# Altium PCB MiniPC.PcbDoc (part 2 of 23)
Units mm, origin at the board's own origin, x right, y up, seen from the top; angles counter-clockwise.
Board outline 175 x 155 mm, 16 copper layers (1_Top, 2_int1_(gnd), 3_int2_(power), 4_int3_(gnd), 5_int4_(sign), 6_int5_(power), 7_int6_(sign), 8_int7_(power), 9_int8_(gnd), 10_int9_(sign), 11_int10_(gnd), 12_int11_(sign), 13_int12_(gnd), 14_int13_(power), 15_int14_(gnd), 16_Bottom), stack 2.008 mm thick; 1046 components, 841 nets, 6010 pads, 4016 vias.
Unrouted connection lines stored in the file: 602.
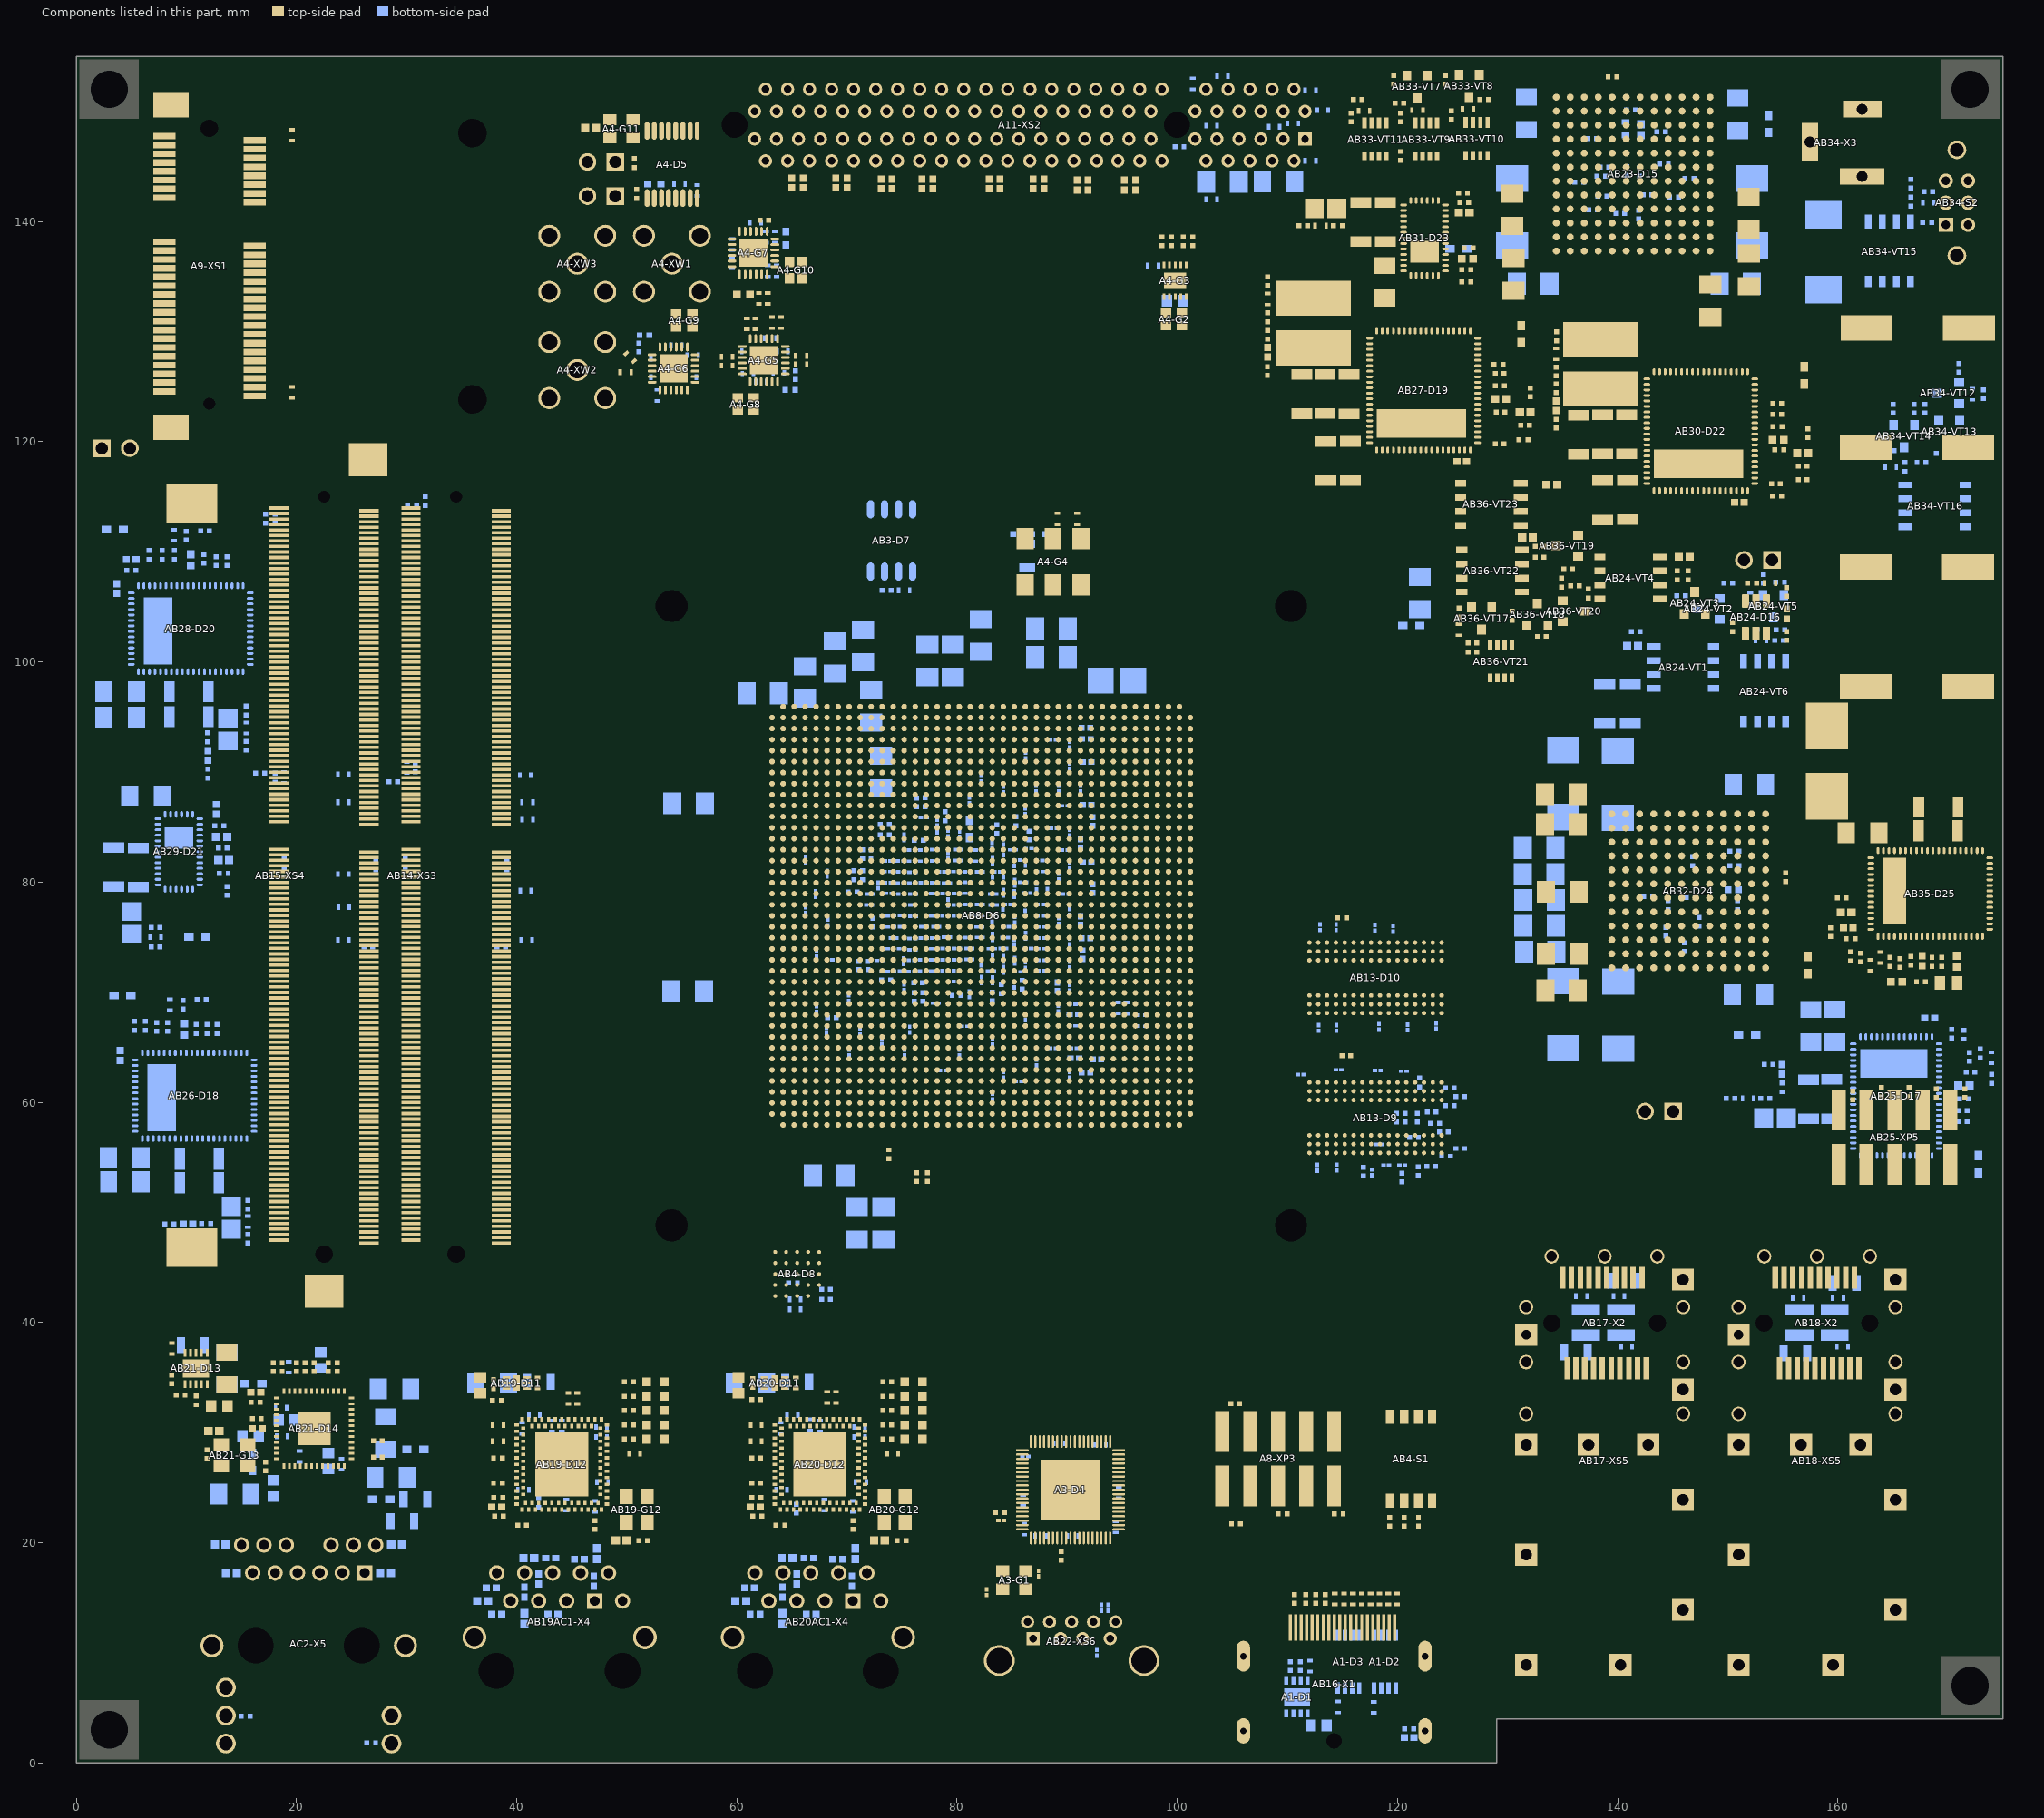
[diagram p16: the components of this part, seen from the top]

## Classes and differential pairs (continued)
net class DDR4_40: DDR4_BLK1.ADDR.A0 DDR4_BLK1.ADDR.A1 DDR4_BLK1.ADDR.A2 DDR4_BLK1.ADDR.A3 DDR4_BLK1.ADDR.A4 DDR4_BLK1.ADDR.A5 DDR4_BLK1.ADDR.A6 DDR4_BLK1.ADDR.A7 DDR4_BLK1.ADDR.A8 DDR4_BLK1.ADDR.A9 DDR4_BLK1.ADDR.A10 DDR4_BLK1.ADDR.A11 DDR4_BLK1.ADDR.A12 DDR4_BLK1.ADDR.A13 DDR4_BLK1.ADDR.A14 DDR4_BLK1.ADDR.A15 DDR4_BLK1.ADDR.A16 DDR4_BLK1.ADDR.BA0 DDR4_BLK1.ADDR.BA1 DDR4_BLK1.ADDR.BG0 DDR4_BLK1.ADDR.BG1 DDR4_BLK1.CTRL.ACT DDR4_BLK1.CTRL.ALERT DDR4_BLK1.CTRL.CKE DDR4_BLK1.CTRL.CS DDR4_BLK1.CTRL.ODT DDR4_BLK1.CTRL.PARITY DDR4_BLK1.CTRL.RESET DDR4_BLK1.CTRL.SA0 DDR4_BLK1.CTRL.SA1 DDR4_BLK1.CTRL.SA2 DDR4_BLK1.CTRL.SCL DDR4_BLK1.CTRL.SDA DDR4_BLK1.DL1.DM0 DDR4_BLK1.DL1.DQ0 DDR4_BLK1.DL1.DQ1 DDR4_BLK1.DL1.DQ2 DDR4_BLK1.DL1.DQ3 DDR4_BLK1.DL1.DQ4 DDR4_BLK1.DL1.DQ5 DDR4_BLK1.DL1.DQ6 DDR4_BLK1.DL1.DQ7 DDR4_BLK1.DL2.DM1 DDR4_BLK1.DL2.DQ8 DDR4_BLK1.DL2.DQ9 DDR4_BLK1.DL2.DQ10 DDR4_BLK1.DL2.DQ11 DDR4_BLK1.DL2.DQ12 DDR4_BLK1.DL2.DQ13 DDR4_BLK1.DL2.DQ14 DDR4_BLK1.DL2.DQ15 DDR4_BLK1.DL3.DM2 DDR4_BLK1.DL3.DQ16 DDR4_BLK1.DL3.DQ17 DDR4_BLK1.DL3.DQ18 DDR4_BLK1.DL3.DQ19 DDR4_BLK1.DL3.DQ20 DDR4_BLK1.DL3.DQ21 DDR4_BLK1.DL3.DQ22 DDR4_BLK1.DL3.DQ23 DDR4_BLK1.DL4.DM3 DDR4_BLK1.DL4.DQ24 DDR4_BLK1.DL4.DQ25 DDR4_BLK1.DL4.DQ26 DDR4_BLK1.DL4.DQ27 DDR4_BLK1.DL4.DQ28 DDR4_BLK1.DL4.DQ29 DDR4_BLK1.DL4.DQ30 DDR4_BLK1.DL4.DQ31 DDR4_BLK1.DL5.DM4 DDR4_BLK1.DL5.DQ32 DDR4_BLK1.DL5.DQ33 DDR4_BLK1.DL5.DQ34 DDR4_BLK1.DL5.DQ35 DDR4_BLK1.DL5.DQ36 DDR4_BLK1.DL5.DQ37 DDR4_BLK1.DL5.DQ38 DDR4_BLK1.DL5.DQ39 DDR4_BLK1.DL6.DM5 DDR4_BLK1.DL6.DQ40 DDR4_BLK1.DL6.DQ41 DDR4_BLK1.DL6.DQ42 DDR4_BLK1.DL6.DQ43 DDR4_BLK1.DL6.DQ44 DDR4_BLK1.DL6.DQ45 DDR4_BLK1.DL6.DQ46 DDR4_BLK1.DL6.DQ47 DDR4_BLK1.DL7.DM6 DDR4_BLK1.DL7.DQ48 DDR4_BLK1.DL7.DQ49 DDR4_BLK1.DL7.DQ50 DDR4_BLK1.DL7.DQ51 DDR4_BLK1.DL7.DQ52 DDR4_BLK1.DL7.DQ53 DDR4_BLK1.DL7.DQ54 DDR4_BLK1.DL7.DQ55 DDR4_BLK1.DL8.DM7 DDR4_BLK1.DL8.DQ56 DDR4_BLK1.DL8.DQ57 DDR4_BLK1.DL8.DQ58 DDR4_BLK1.DL8.DQ59 DDR4_BLK1.DL8.DQ60 DDR4_BLK1.DL8.DQ61 DDR4_BLK1.DL8.DQ62 DDR4_BLK1.DL8.DQ63 DDR4_BLK2.CTRL.CKE DDR4_BLK2.CTRL.CS DDR4_BLK2.CTRL.ODT DDR4_INT.ADDR.A0 DDR4_INT.ADDR.A1 DDR4_INT.ADDR.A2 DDR4_INT.ADDR.A3 DDR4_INT.ADDR.A4 DDR4_INT.ADDR.A5 DDR4_INT.ADDR.A6 DDR4_INT.ADDR.A7 DDR4_INT.ADDR.A8 DDR4_INT.ADDR.A9 DDR4_INT.ADDR.A10 DDR4_INT.ADDR.A11 DDR4_INT.ADDR.A12 DDR4_INT.ADDR.A13 DDR4_INT.ADDR.BA0 DDR4_INT.ADDR.BA1 DDR4_INT.ADDR.BG0 DDR4_INT.ADDR.BG1 DDR4_INT.CTRL.ACT DDR4_INT.CTRL.ALERT0 DDR4_INT.CTRL.ALERT1 DDR4_INT.CTRL.CAS DDR4_INT.CTRL.CKE DDR4_INT.CTRL.CSn DDR4_INT.CTRL.ODT DDR4_INT.CTRL.PAR DDR4_INT.CTRL.RAS DDR4_INT.CTRL.RESETn DDR4_INT.CTRL.WEn DDR4_INT.DL1.DM0 DDR4_INT.DL1.DQ0 DDR4_INT.DL1.DQ1 DDR4_INT.DL1.DQ2 DDR4_INT.DL1.DQ3 DDR4_INT.DL1.DQ4 DDR4_INT.DL1.DQ5 DDR4_INT.DL1.DQ6 DDR4_INT.DL1.DQ7 DDR4_INT.DL2.DM1 DDR4_INT.DL2.DQ8 DDR4_INT.DL2.DQ9 DDR4_INT.DL2.DQ10 DDR4_INT.DL2.DQ11 DDR4_INT.DL2.DQ12 DDR4_INT.DL2.DQ13 DDR4_INT.DL2.DQ14 DDR4_INT.DL2.DQ15 DDR4_INT.DL3.DM2 DDR4_INT.DL3.DQ16 DDR4_INT.DL3.DQ17 DDR4_INT.DL3.DQ18 DDR4_INT.DL3.DQ19 DDR4_INT.DL3.DQ20 DDR4_INT.DL3.DQ21 DDR4_INT.DL3.DQ22 DDR4_INT.DL3.DQ23 DDR4_INT.DL4.DM3 DDR4_INT.DL4.DQ24 DDR4_INT.DL4.DQ25 DDR4_INT.DL4.DQ26 DDR4_INT.DL4.DQ27 DDR4_INT.DL4.DQ28 DDR4_INT.DL4.DQ29 DDR4_INT.DL4.DQ30 DDR4_INT.DL4.DQ31
component class A8: A8-R19 A8-R20 A8-R21 A8-R22 A8-XP3
component class AB15: AB15-C363 AB15-C364 AB15-C365 AB15-C366 AB15-C367 AB15-C368 AB15-C369 AB15-R88 AB15-R89 AB15-R90 AB15-R91 AB15-R92 AB15-XS4
component class AB2: AB2-C230 AB2-C231 AB2-C232 AB2-C233 AB2-C234 AB2-C235 AB2-C236 AB2-C237 AB2-C238 AB2-C239 AB2-C240 AB2-C241 AB2-C242 AB2-C243 AB2-C244 AB2-C245 AB2-C246 AB2-C247 AB2-C248 AB2-C249 AB2-C250 AB2-C251 AB2-C252 AB2-C253 AB2-C254 AB2-C255 AB2-C256 AB2-C257 AB2-C258 AB2-C259 AB2-C260 AB2-C261 AB2-C262 AB2-C263 AB2-C264 AB2-C265 AB2-C266 AB2-C267 AB2-C268 AB2-C269 AB2-C270 AB2-C271 AB2-C272 AB2-C273 AB2-C274 AB2-C275 AB2-C276 AB2-C277 AB2-C278 AB2-C279 AB2-C280 AB2-C281 AB2-C282 AB2-C283 AB2-C284 AB2-C285 AB2-C286 AB2-C287 AB2-C288 AB2-C289 AB2-C290 AB2-C291 AB2-C292 AB2-C293 AB2-C294 AB2-C295 AB2-C296 AB2-C297 AB2-C298 AB2-C299 AB2-C300 AB2-C301 AB2-C302 AB2-C303 AB2-C304 AB2-C305 AB2-C306 AB2-C307 AB2-C308 AB2-C309 AB2-C310 AB2-C311 AB2-C312 AB2-C313 AB2-C314 AB2-C315 AB2-C316 AB2-C317 AB2-C318 AB2-C319 AB2-C320 AB2-L7 AB2-L8 AB2-R24 AB2-R25
component class AB1: AB1-C98 AB1-C99 AB1-C100 AB1-C101 AB1-C102 AB1-C103 AB1-C104 AB1-C105 AB1-C106 AB1-C107 AB1-C108 AB1-C109 AB1-C110 AB1-C111 AB1-C112 AB1-C113 AB1-C114 AB1-C115 AB1-C116 AB1-C117 AB1-C118 AB1-C119 AB1-C120 AB1-C121 AB1-C122 AB1-C123 AB1-C124 AB1-C125 AB1-C126 AB1-C127 AB1-C128 AB1-C129 AB1-C130 AB1-C131 AB1-C132 AB1-C133 AB1-C134 AB1-C135 AB1-C136 AB1-C137 AB1-C138 AB1-C139 AB1-C140 AB1-C141 AB1-C142 AB1-C143 AB1-C144 AB1-C145 AB1-C146 AB1-C147 AB1-C148 AB1-C149 AB1-C150 AB1-C151 AB1-C152 AB1-C153 AB1-C154 AB1-C155 AB1-C156 AB1-C157 AB1-C158 AB1-C159 AB1-C160 AB1-C161 AB1-C162 AB1-C163 AB1-C164 AB1-C165 AB1-C166 AB1-C167 AB1-C168 AB1-C169 AB1-C170 AB1-C171 AB1-C172 AB1-C173 AB1-C174 AB1-C175 AB1-C176 AB1-C177 AB1-C178 AB1-C179 AB1-C180 AB1-C181 AB1-C182 AB1-C183 AB1-C184 AB1-C185 AB1-C186 AB1-C187 AB1-C188 AB1-C189 AB1-C190 AB1-C191 AB1-C192 AB1-C193 AB1-C194 AB1-C195 AB1-C196 AB1-C197 AB1-C198 AB1-C199 AB1-C200 AB1-C201 AB1-C202 AB1-C203 AB1-C204 AB1-C205 AB1-C206 AB1-C207 AB1-C208 AB1-C209 AB1-C210 AB1-C211 AB1-C212 AB1-C213 AB1-C214 AB1-C215 AB1-C216 AB1-C217 AB1-C218 AB1-C219 AB1-C220 AB1-C221 AB1-C222 AB1-C223 AB1-C224 AB1-C225 AB1-C226 AB1-C227 AB1-C228 AB1-C229
component class AB3: AB3-C321 AB3-C322 AB3-C323 AB3-C324 AB3-C325 AB3-C326 AB3-C327 AB3-C328 AB3-C329 AB3-C330 AB3-C331 AB3-C332 AB3-C333 AB3-C334 AB3-D7 AB3-R26 AB3-R27 AB3-R28 AB3-R29 AB3-R30 AB3-R31 AB3-R32 AB3-R33 AB3-R34 AB3-R35 AB3-R36 AB3-R37 AB3-R38 AB3-R39 AB3-R40 AB3-R41 AB3-R42 AB3-R43 AB3-R44 AB3-R45 AB3-R46 AB3-R47 AB3-R48 AB3-R49
component class AB33: AB33-C517 AB33-C518 AB33-C519 AB33-R269 AB33-R270 AB33-R271 AB33-R272 AB33-R273 AB33-R274 AB33-R275 AB33-R276 AB33-R277 AB33-VT7 AB33-VT8 AB33-VT9 AB33-VT10 AB33-VT11
component class AB36: AB36-C537 AB36-C538 AB36-C539 AB36-R303 AB36-R304 AB36-R305 AB36-R306 AB36-R307 AB36-R308 AB36-R309 AB36-R310 AB36-R311 AB36-R312 AB36-R313 AB36-VT17 AB36-VT18 AB36-VT19 AB36-VT20 AB36-VT21 AB36-VT22 AB36-VT23
component class AB25: AB25-C443 AB25-C444 AB25-C445 AB25-C446 AB25-C447 AB25-C448 AB25-C449 AB25-C450 AB25-C451 AB25-D17 AB25-L16 AB25-R167 AB25-R168 AB25-R169 AB25-R170 AB25-R171 AB25-R172 AB25-R173 AB25-R174 AB25-R175 AB25-R176 AB25-R177 AB25-R178 AB25-R179 AB25-R180 AB25-R181 AB25-R182 AB25-R183 AB25-R184 AB25-R185 AB25-XP5
component class AB26: AB26-C452 AB26-C453 AB26-C454 AB26-C455 AB26-C456 AB26-C457 AB26-C458 AB26-C459 AB26-C460 AB26-D18 AB26-L17 AB26-R186 AB26-R187 AB26-R188 AB26-R189 AB26-R190 AB26-R191 AB26-R192 AB26-R193 AB26-R194 AB26-R195 AB26-R196 AB26-R197 AB26-R198 AB26-R199
component class AB27: AB27-C461 AB27-C462 AB27-C463 AB27-C464 AB27-C465 AB27-C466 AB27-C467 AB27-C468 AB27-C469 AB27-C470 AB27-D19 AB27-L18 AB27-R200 AB27-R201 AB27-R202 AB27-R203 AB27-R204 AB27-R205 AB27-R206 AB27-R207 AB27-R208 AB27-R209 AB27-R210 AB27-R211 AB27-R212
component class AB28: AB28-C471 AB28-C472 AB28-C473 AB28-C474 AB28-C475 AB28-C476 AB28-C477 AB28-C478 AB28-C479 AB28-D20 AB28-L19 AB28-R213 AB28-R214 AB28-R215 AB28-R216 AB28-R217 AB28-R218 AB28-R219 AB28-R220 AB28-R221 AB28-R222 AB28-R223 AB28-R224 AB28-R225 AB28-R226 AB28-R227 AB28-XP6
component class AB29: AB29-C480 AB29-C481 AB29-C482 AB29-C483 AB29-C484 AB29-C485 AB29-D21 AB29-L20 AB29-R228 AB29-R229 AB29-R230 AB29-R231 AB29-R232 AB29-R233 AB29-R234 AB29-R235
component class AB32: AB32-C502 AB32-C503 AB32-C504 AB32-C505 AB32-C506 AB32-C507 AB32-C508 AB32-C509 AB32-C510 AB32-C511 AB32-C512 AB32-C513 AB32-C514 AB32-C515 AB32-C516 AB32-D24 AB32-L23 AB32-R258 AB32-R259 AB32-R260 AB32-R261 AB32-R262 AB32-R263 AB32-R264 AB32-R265 AB32-R266 AB32-R267 AB32-R268
component class AB24: AB24-C436 AB24-C437 AB24-C438 AB24-C439 AB24-C440 AB24-C441 AB24-C442 AB24-D16 AB24-R152 AB24-R153 AB24-R154 AB24-R155 AB24-R156 AB24-R157 AB24-R158 AB24-R159 AB24-R160 AB24-R161 AB24-R162 AB24-R163 AB24-R164 AB24-R165 AB24-R166 AB24-VT1 AB24-VT2 AB24-VT3 AB24-VT4 AB24-VT5 AB24-VT6 AB24-XP4
component class AB30: AB30-C486 AB30-C487 AB30-C488 AB30-C489 AB30-C490 AB30-C491 AB30-C492 AB30-C493 AB30-C494 AB30-C495 AB30-D22 AB30-L21 AB30-R236 AB30-R237 AB30-R238 AB30-R239 AB30-R240 AB30-R241 AB30-R242 AB30-R243 AB30-R244 AB30-R245 AB30-R246 AB30-R247 AB30-R248 AB30-R249
component class AB31: AB31-C496 AB31-C497 AB31-C498 AB31-C499 AB31-C500 AB31-C501 AB31-D23 AB31-L22 AB31-R250 AB31-R251 AB31-R252 AB31-R253 AB31-R254 AB31-R255 AB31-R256 AB31-R257
component class AB23: AB23-C423 AB23-C424 AB23-C425 AB23-C426 AB23-C427 AB23-C428 AB23-C429 AB23-C430 AB23-C431 AB23-C432 AB23-C433 AB23-C434 AB23-C435 AB23-D15 AB23-L15 AB23-R135 AB23-R136 AB23-R137 AB23-R138 AB23-R139 AB23-R140 AB23-R141 AB23-R142 AB23-R143 AB23-R144 AB23-R145 AB23-R146 AB23-R147 AB23-R148 AB23-R149 AB23-R150 AB23-R151
component class AB35: AB35-C527 AB35-C528 AB35-C529 AB35-C530 AB35-C531 AB35-C532 AB35-C533 AB35-C534 AB35-C535 AB35-C536 AB35-D25 AB35-F1 AB35-L24 AB35-R291 AB35-R292 AB35-R293 AB35-R294 AB35-R295 AB35-R296 AB35-R297 AB35-R298 AB35-R299 AB35-R300 AB35-R301 AB35-R302
component class AB34: AB34-C520 AB34-C521 AB34-C522 AB34-C523 AB34-C524 AB34-C525 AB34-C526 AB34-R278 AB34-R279 AB34-R280 AB34-R281 AB34-R282 AB34-R283 AB34-R284 AB34-R285 AB34-R286 AB34-R287 AB34-R288 AB34-R289 AB34-R290 AB34-S2 AB34-VD6 AB34-VT12 AB34-VT13 AB34-VT14 AB34-VT15 AB34-VT16 AB34-X3 AB34-XP7
component class A4: A4-C29 A4-C30 A4-C31 A4-C32 A4-C33 A4-C34 A4-C35 A4-C36 A4-C37 A4-C38 A4-C39 A4-C40 A4-C41 A4-C42 A4-C43 A4-C44 A4-C45 A4-C46 A4-C47 A4-C48 A4-C49 A4-C50 A4-C51 A4-C52 A4-C53 A4-C54 A4-C55 A4-C56 A4-C57 A4-C58 A4-C59 A4-C60 A4-C61 A4-C62 A4-C63 A4-C64 A4-C65 A4-C66 A4-C67 A4-C68 A4-D5 A4-G2 A4-G3 A4-G4 A4-G5 A4-G6 A4-G7 A4-G8 A4-G9 A4-G10 A4-G11 A4-L1 A4-L2 A4-L3 A4-L4 A4-L5 A4-L6 A4-R10 A4-R11 A4-R12 A4-R13 A4-R14 A4-R15 A4-R16 A4-R17 A4-R18 A4-XP1 A4-XP2 A4-XW1 A4-XW2 A4-XW3
component class AB9: AB8-D6
component class A3: A3-C14 A3-C15 A3-C16 A3-C17 A3-C18 A3-C19 A3-C20 A3-C21 A3-C22 A3-C23 A3-C24 A3-C25 A3-C26 A3-C27 A3-C28 A3-D4 A3-G1 A3-R8 A3-R9 AB22-XS6
component class AB13: AB13-C337 AB13-C338 AB13-C339 AB13-C340 AB13-C341 AB13-C342 AB13-C343 AB13-C344 AB13-C345 AB13-C346 AB13-C347 AB13-C348 AB13-C349 AB13-C350 AB13-C351 AB13-C352 AB13-C353 AB13-C354 AB13-C355 AB13-D9 AB13-D10 AB13-R64 AB13-R65 AB13-R66 AB13-R67 AB13-R68 AB13-R69 AB13-R70 AB13-R71 AB13-R72 AB13-R73 AB13-R74 AB13-R75 AB13-R76 AB13-R77 AB13-R78 AB13-R79 AB13-R80 AB13-R81 AB13-R82
component class AB14: AB14-C356 AB14-C357 AB14-C358 AB14-C359 AB14-C360 AB14-C361 AB14-C362 AB14-R83 AB14-R84 AB14-R85 AB14-R86 AB14-R87 AB14-XS3
component class AB7: AB7-R59 AB7-R60 AB7-R61 AB7-R62 AB7-R63
component class AB21: AB21-C401 AB21-C402 AB21-C403 AB21-C404 AB21-C405 AB21-C406 AB21-C407 AB21-C408 AB21-C409 AB21-C410 AB21-C411 AB21-C412 AB21-C413 AB21-C414 AB21-C415 AB21-C416 AB21-C417 AB21-C418 AB21-C419 AB21-C420 AB21-C421 AB21-C422 AB21-D13 AB21-D14 AB21-G13 AB21-L11 AB21-L12 AB21-L13 AB21-L14 AB21-R117 AB21-R118 AB21-R119 AB21-R120 AB21-R121 AB21-R122 AB21-R123 AB21-R124 AB21-R125 AB21-R126 AB21-R127 AB21-R128 AB21-R129 AB21-R130 AB21-R131 AB21-R132 AB21-R133 AB21-R134 AC2-C540 AC2-C541 AC2-C542 AC2-C543 AC2-R314 AC2-R315 AC2-X5
component class AB4: AB4-C335 AB4-C336 AB4-D8 AB4-R50 AB4-R51 AB4-R52 AB4-R53 AB4-R54 AB4-R55 AB4-R56 AB4-R57 AB4-R58 AB4-S1
component class A1: A1-C1 A1-C2 A1-C3 A1-C4 A1-C5 A1-C6 A1-C7 A1-C8 A1-C9 A1-C10 A1-C11 A1-C12 A1-C13 A1-D1 A1-D2 A1-D3 A1-R1 A1-R2 A1-R3 A1-R4 A1-R5 A1-R6 A1-R7 AB16-X1
component class AB18: AB18-C370 AB18-C371 AB18-C372 AB18-C373 AB18-C374 AB18-L9 AB18-L10 AB18-X2 AB18-XS5
component class AB17: AB17-C370 AB17-C371 AB17-C372 AB17-C373 AB17-C374 AB17-L9 AB17-L10 AB17-X2 AB17-XS5
component class AB20: AB19AC1-X4 AB20-C375 AB20-C376 AB20-C377 AB20-C378 AB20-C379 AB20-C380 AB20-C381 AB20-C382 AB20-C383 AB20-C384 AB20-C385 AB20-C386 AB20-C387 AB20-C388 AB20-C389 AB20-C390 AB20-C391 AB20-C392 AB20-C393 AB20-C394 AB20-C395 AB20-C396 AB20-C397 AB20-C398 AB20-C399 AB20-C400 AB20-D11 AB20-D12 AB20-G12 AB20-R93 AB20-R94 AB20-R95 AB20-R96 AB20-R97 AB20-R98 AB20-R99 AB20-R100 AB20-R101 AB20-R102 AB20-R103 AB20-R104 AB20-R105 AB20-R106 AB20-R107 AB20-R108 AB20-R109 AB20-R110 AB20-R111 AB20-R112 AB20-R113 AB20-R114 AB20-R115 AB20-R116 AB20-VD1 AB20-VD2 AB20-VD3 AB20-VD4 AB20-VD5 AB20AC1-X4
component class AB19: AB19-C375 AB19-C376 AB19-C377 AB19-C378 AB19-C379 AB19-C380 AB19-C381 AB19-C382 AB19-C383 AB19-C384 AB19-C385 AB19-C386 AB19-C387 AB19-C388 AB19-C389 AB19-C390 AB19-C391 AB19-C392 AB19-C393 AB19-C394 AB19-C395 AB19-C396 AB19-C397 AB19-C398 AB19-C399 AB19-C400 AB19-D11 AB19-D12 AB19-G12 AB19-R93 AB19-R94 AB19-R95 AB19-R96 AB19-R97 AB19-R98 AB19-R99 AB19-R100 AB19-R101 AB19-R102 AB19-R103 AB19-R104 AB19-R105 AB19-R106 AB19-R107 AB19-R108 AB19-R109 AB19-R110 AB19-R111 AB19-R112 AB19-R113 AB19-R114 AB19-R115 AB19-R116 AB19-VD1 AB19-VD2 AB19-VD3 AB19-VD4 AB19-VD5 AB19AC1-X4 AB20AC1-X4
component class A11: A11-C71 A11-C72 A11-C73 A11-C74 A11-C75 A11-C76 A11-C77 A11-C78 A11-C79 A11-C80 A11-C81 A11-C82 A11-C83 A11-C84 A11-C85 A11-C86 A11-C87 A11-C88 A11-C89 A11-C90 A11-C91 A11-C92 A11-C93 A11-C94 A11-C95 A11-C96 A11-C97 A11-R23 A11-XS2
component class A9: A9-C69 A9-C70 A9-XS1
differential pair class DDR4_80: DDR4_CLK DDR4_DQS0 DDR4_DQS1 DDR4_DQS2 DDR4_DQS3 DDR4_SODIMM_CK0 DDR4_SODIMM_CK1 DDR4_SODIMM_CK2 DDR4_SODIMM_CK3 DDR4_SODIMM_DQS0 DDR4_SODIMM_DQS1 DDR4_SODIMM_DQS2 DDR4_SODIMM_DQS3 DDR4_SODIMM_DQS4 DDR4_SODIMM_DQS5 DDR4_SODIMM_DQS6 DDR4_SODIMM_DQS7
net class USB3: RESERVED USB3_BE0 USB3_BE1 USB3_BE2 USB3_BE3 USB3_CLK USB3_DATA0 USB3_DATA1 USB3_DATA2 USB3_DATA3 USB3_DATA4 USB3_DATA5 USB3_DATA6 USB3_DATA7 USB3_DATA8 USB3_DATA9 USB3_DATA10 USB3_DATA11 USB3_DATA12 USB3_DATA13 USB3_DATA14 USB3_DATA15 USB3_DATA16 USB3_DATA17 USB3_DATA18 USB3_DATA19 USB3_DATA20 USB3_DATA21 USB3_DATA22 USB3_DATA23 USB3_DATA24 USB3_DATA25 USB3_DATA26 USB3_DATA27 USB3_DATA28 USB3_DATA29 USB3_DATA30 USB3_DATA31 USB3_OE USB3_RD USB3_RXF USB3_SIWU USB3_TXE USB3_WAKEUP USB3_WR
net class PCIE_TX: PCIE.DL.TX0._N PCIE.DL.TX0._P PCIE.DL.TX1._N PCIE.DL.TX1._P PCIE.DL.TX2._N PCIE.DL.TX2._P PCIE.DL.TX3._N PCIE.DL.TX3._P PCIE.DL.TX4._N PCIE.DL.TX4._P PCIE.DL.TX5._N PCIE.DL.TX5._P PCIE.DL.TX6._N PCIE.DL.TX6._P PCIE.DL.TX7._N PCIE.DL.TX7._P
net class PCIE_TX_C: PCIE_TX0_C_N PCIE_TX0_C_P PCIE_TX1_C_N PCIE_TX1_C_P PCIE_TX2_C_N PCIE_TX2_C_P PCIE_TX3_C_N PCIE_TX3_C_P PCIE_TX4_C_N PCIE_TX4_C_P PCIE_TX5_C_N PCIE_TX5_C_P PCIE_TX6_C_N PCIE_TX6_C_P PCIE_TX7_C_N PCIE_TX7_C_P
net class PCIE_RX: PCIE.DL.RX0._N PCIE.DL.RX0._P PCIE.DL.RX1._N PCIE.DL.RX1._P PCIE.DL.RX2._N PCIE.DL.RX2._P PCIE.DL.RX3._N PCIE.DL.RX3._P PCIE.DL.RX4._N PCIE.DL.RX4._P PCIE.DL.RX5._N PCIE.DL.RX5._P PCIE.DL.RX6._N PCIE.DL.RX6._P PCIE.DL.RX7._N PCIE.DL.RX7._P
differential pair class SFPA_TX: SFPA_TX
differential pair class SFPA_RX: SFPA_RX
differential pair class SFPB_RX: SFPB_RX
differential pair class SFPB_TX: SFPB_TX
differential pair class PCIE_85: CLK_DIFF1 CLK_DIFF2 MINI_PCIE_PER MINI_PCIE_USB_D MINIPCIE_PET MINIPCIE_REFCLK PCIE_REFCLK_QR0 PCIE_REFCLK_SYN PCIE_RX0 PCIE_RX1 PCIE_RX2 PCIE_RX3 PCIE_RX4 PCIE_RX5 PCIE_RX6 PCIE_RX7 PCIE_TX0 PCIE_TX0_C PCIE_TX1 PCIE_TX1_C PCIE_TX2 PCIE_TX2_C PCIE_TX3 PCIE_TX3_C PCIE_TX4 PCIE_TX4_C PCIE_TX5 PCIE_TX5_C PCIE_TX6 PCIE_TX6_C PCIE_TX7 PCIE_TX7_C
net class PCIE_Upr: MINI_PCIE_SMB_CLK MINI_PCIE_SMB_DATA MINIPCIE_CLKREQ_L MINIPCIE_LED_WLAN_L MINIPCIE_PERST_L MINIPCIE_W_DISABLE_L MINIPCIE_WAKE_L PCIE.PERSTn
net class USB3_diff: USB3_port.DATA._N USB3_port.DATA._P USB3_port.SSRX._N USB3_port.SSRX._P USB3_TOD_N USB3_TOD_P
net class SFP: 1SFP_RX_N 1SFP_RX_P 1SFP_TX_N 1SFP_TX_P 2SFP_RX_N 2SFP_RX_P 2SFP_TX_N 2SFP_TX_P
net class PCIE_CLK: PCIE.CLK_SYN._N PCIE.CLK_SYN._P PCIE_REFCLK_QR0_N PCIE_REFCLK_QR0_P
differential pair REFCLK_SDI_C_8: +REFCLK_SDI_C_P -REFCLK_SDI_C_N
differential pair AUX: +AUX_P -AUX_N
differential pair MINI_PCIE_USB_D: +mini_PCIE_USB_D_P -mini_PCIE_USB_D_N
differential pair USB3_SSRX: +USB3_port.SSRX._P -USB3_port.SSRX._N
differential pair USB3_TOD: +USB3_TOD_P -USB3_TOD_N
differential pair USB3_SSTX: +USB3_port.SSTX._P -USB3_port.SSTX._N
differential pair USB3_D: +USB3_port.DATA._P -USB3_port.DATA._N
differential pair TRD4: +TRD4_P -TRD4_N
differential pair TRD3: +TRD3_P -TRD3_N
differential pair TRD2: +TRD2_P -TRD2_N
differential pair TRD1: +TRD1_P -TRD1_N
differential pair REFCLK_SMA: +REFCLK_SMA_P -REFCLK_SMA_N
differential pair REFCLK_SDI: +REFCLK_SDI_P -REFCLK_SDI_N
differential pair REFCLK_DP: +REFCLK_DP_P -REFCLK_DP_N
differential pair REFCLK1_FMCB: +REFCLK1_FMCB_P -REFCLK1_FMCB_N
differential pair PCIE_TX7: +PCIE.DL.TX7._P -PCIE.DL.TX7._N
differential pair PCIE_TX7_C: +PCIE_TX7_C_P -PCIE_TX7_C_N
differential pair PCIE_TX6: +PCIE.DL.TX6._P -PCIE.DL.TX6._N
differential pair PCIE_TX6_C: +PCIE_TX6_C_P -PCIE_TX6_C_N
differential pair PCIE_TX5: +PCIE.DL.TX5._P -PCIE.DL.TX5._N
differential pair PCIE_TX5_C: +PCIE_TX5_C_P -PCIE_TX5_C_N
differential pair PCIE_TX4: +PCIE.DL.TX4._P -PCIE.DL.TX4._N
differential pair PCIE_TX4_C: +PCIE_TX4_C_P -PCIE_TX4_C_N
differential pair PCIE_TX3: +PCIE.DL.TX3._P -PCIE.DL.TX3._N
differential pair PCIE_TX3_C: +PCIE_TX3_C_P -PCIE_TX3_C_N
differential pair PCIE_TX2: +PCIE.DL.TX2._P -PCIE.DL.TX2._N
differential pair PCIE_TX2_C: +PCIE_TX2_C_P -PCIE_TX2_C_N
differential pair PCIE_TX1: +PCIE.DL.TX1._P -PCIE.DL.TX1._N
differential pair PCIE_TX1_C: +PCIE_TX1_C_P -PCIE_TX1_C_N
differential pair PCIE_TX0: +PCIE.DL.TX0._P -PCIE.DL.TX0._N
differential pair PCIE_TX0_C: +PCIE_TX0_C_P -PCIE_TX0_C_N
differential pair PCIE_RX7: +PCIE.DL.RX7._P -PCIE.DL.RX7._N
differential pair PCIE_RX6: +PCIE.DL.RX6._P -PCIE.DL.RX6._N
differential pair PCIE_RX5: +PCIE.DL.RX5._P -PCIE.DL.RX5._N
differential pair PCIE_RX4: +PCIE.DL.RX4._P -PCIE.DL.RX4._N
differential pair PCIE_RX3: +PCIE.DL.RX3._P -PCIE.DL.RX3._N
differential pair PCIE_RX2: +PCIE.DL.RX2._P -PCIE.DL.RX2._N
differential pair PCIE_RX1: +PCIE.DL.RX1._P -PCIE.DL.RX1._N
differential pair PCIE_RX0: +PCIE.DL.RX0._P -PCIE.DL.RX0._N
differential pair PCIE_REFCLK_SYN: +PCIE.CLK_SYN._P -PCIE.CLK_SYN._N
differential pair PCIE_REFCLK_QR0: +PCIE_REFCLK_QR0_P -PCIE_REFCLK_QR0_N
differential pair ENETB_TX: +2ENET_TX_P -2ENET_TX_N
differential pair ENETB_TXC: +2ENET_TXC_P -2ENET_TXC_N
differential pair ENETB_RX: +2ENET_RX_P -2ENET_RX_N
differential pair ENETB_RXC: +2ENET_RXC_P -2ENET_RXC_N
differential pair ENETA_TX: +1ENET_TX_P -1ENET_TX_N
differential pair ENETA_TXC: +1ENET_TXC_P -1ENET_TXC_N
differential pair ENETA_RX: +1ENET_RX_P -1ENET_RX_N
differential pair ENETA_RXC: +1ENET_RXC_P -1ENET_RXC_N
differential pair DP_ML_LANE3: +DP_ML_LANE3_P -DP_ML_LANE3_N
differential pair DP_ML_LANE3_C: +DP_ML_LANE3_C_P -DP_ML_LANE3_C_N
differential pair DP_ML_LANE2: +DP_ML_LANE2_P -DP_ML_LANE2_N
differential pair DP_ML_LANE2_C: +DP_ML_LANE2_C_P -DP_ML_LANE2_C_N
differential pair DP_ML_LANE1: +DP_ML_LANE1_P -DP_ML_LANE1_N
differential pair DP_ML_LANE1_C: +DP_ML_LANE1_C_P -DP_ML_LANE1_C_N
differential pair DP_ML_LANE0: +DP_ML_LANE0_P -DP_ML_LANE0_N
differential pair DP_ML_LANE0_C: +DP_ML_LANE0_C_P -DP_ML_LANE0_C_N
differential pair DDR4_DQS3: +DDR4_INT.DL4.DQS3_P -DDR4_INT.DL4.DQS3_N
differential pair DDR4_DQS2: +DDR4_INT.DL3.DQS2_P -DDR4_INT.DL3.DQS2_N
differential pair DDR4_DQS1: +DDR4_INT.DL2.DQS1_P -DDR4_INT.DL2.DQS1_N
differential pair DDR4_DQS0: +DDR4_INT.DL1.DQS0_P -DDR4_INT.DL1.DQS0_N
differential pair DDR4_CLK: +DDR4_INT.CTRL.CLK_P -DDR4_INT.CTRL.CLK_N
differential pair CLK_ENET_FPGA: +CLK_ENET_FPGA_P -CLK_ENET_FPGA_N
differential pair BMDI3: +2DL3_P -2DL3_N
differential pair BMDI2: +2DL2_P -2DL2_N
differential pair BMDI1: +2DL1_P -2DL1_N
differential pair BMDI0: +2DL0_P -2DL0_N
differential pair AMDI3: +1DL3_P -1DL3_N
differential pair AMDI2: +1DL2_P -1DL2_N
differential pair AMDI1: +1DL1_P -1DL1_N
differential pair AMDI0: +1DL0_P -1DL0_N
differential pair REFCLK0_FMCB: +REFCLK0_FMCB_P -REFCLK0_FMCB_N
differential pair SFPA_RX: +1SFP_RX_P -1SFP_RX_N
differential pair SFPA_TX: +1SFP_TX_P -1SFP_TX_N